# Altium PCB SysUprTestUUUp.PcbDoc (part 1 of 4) (continued)
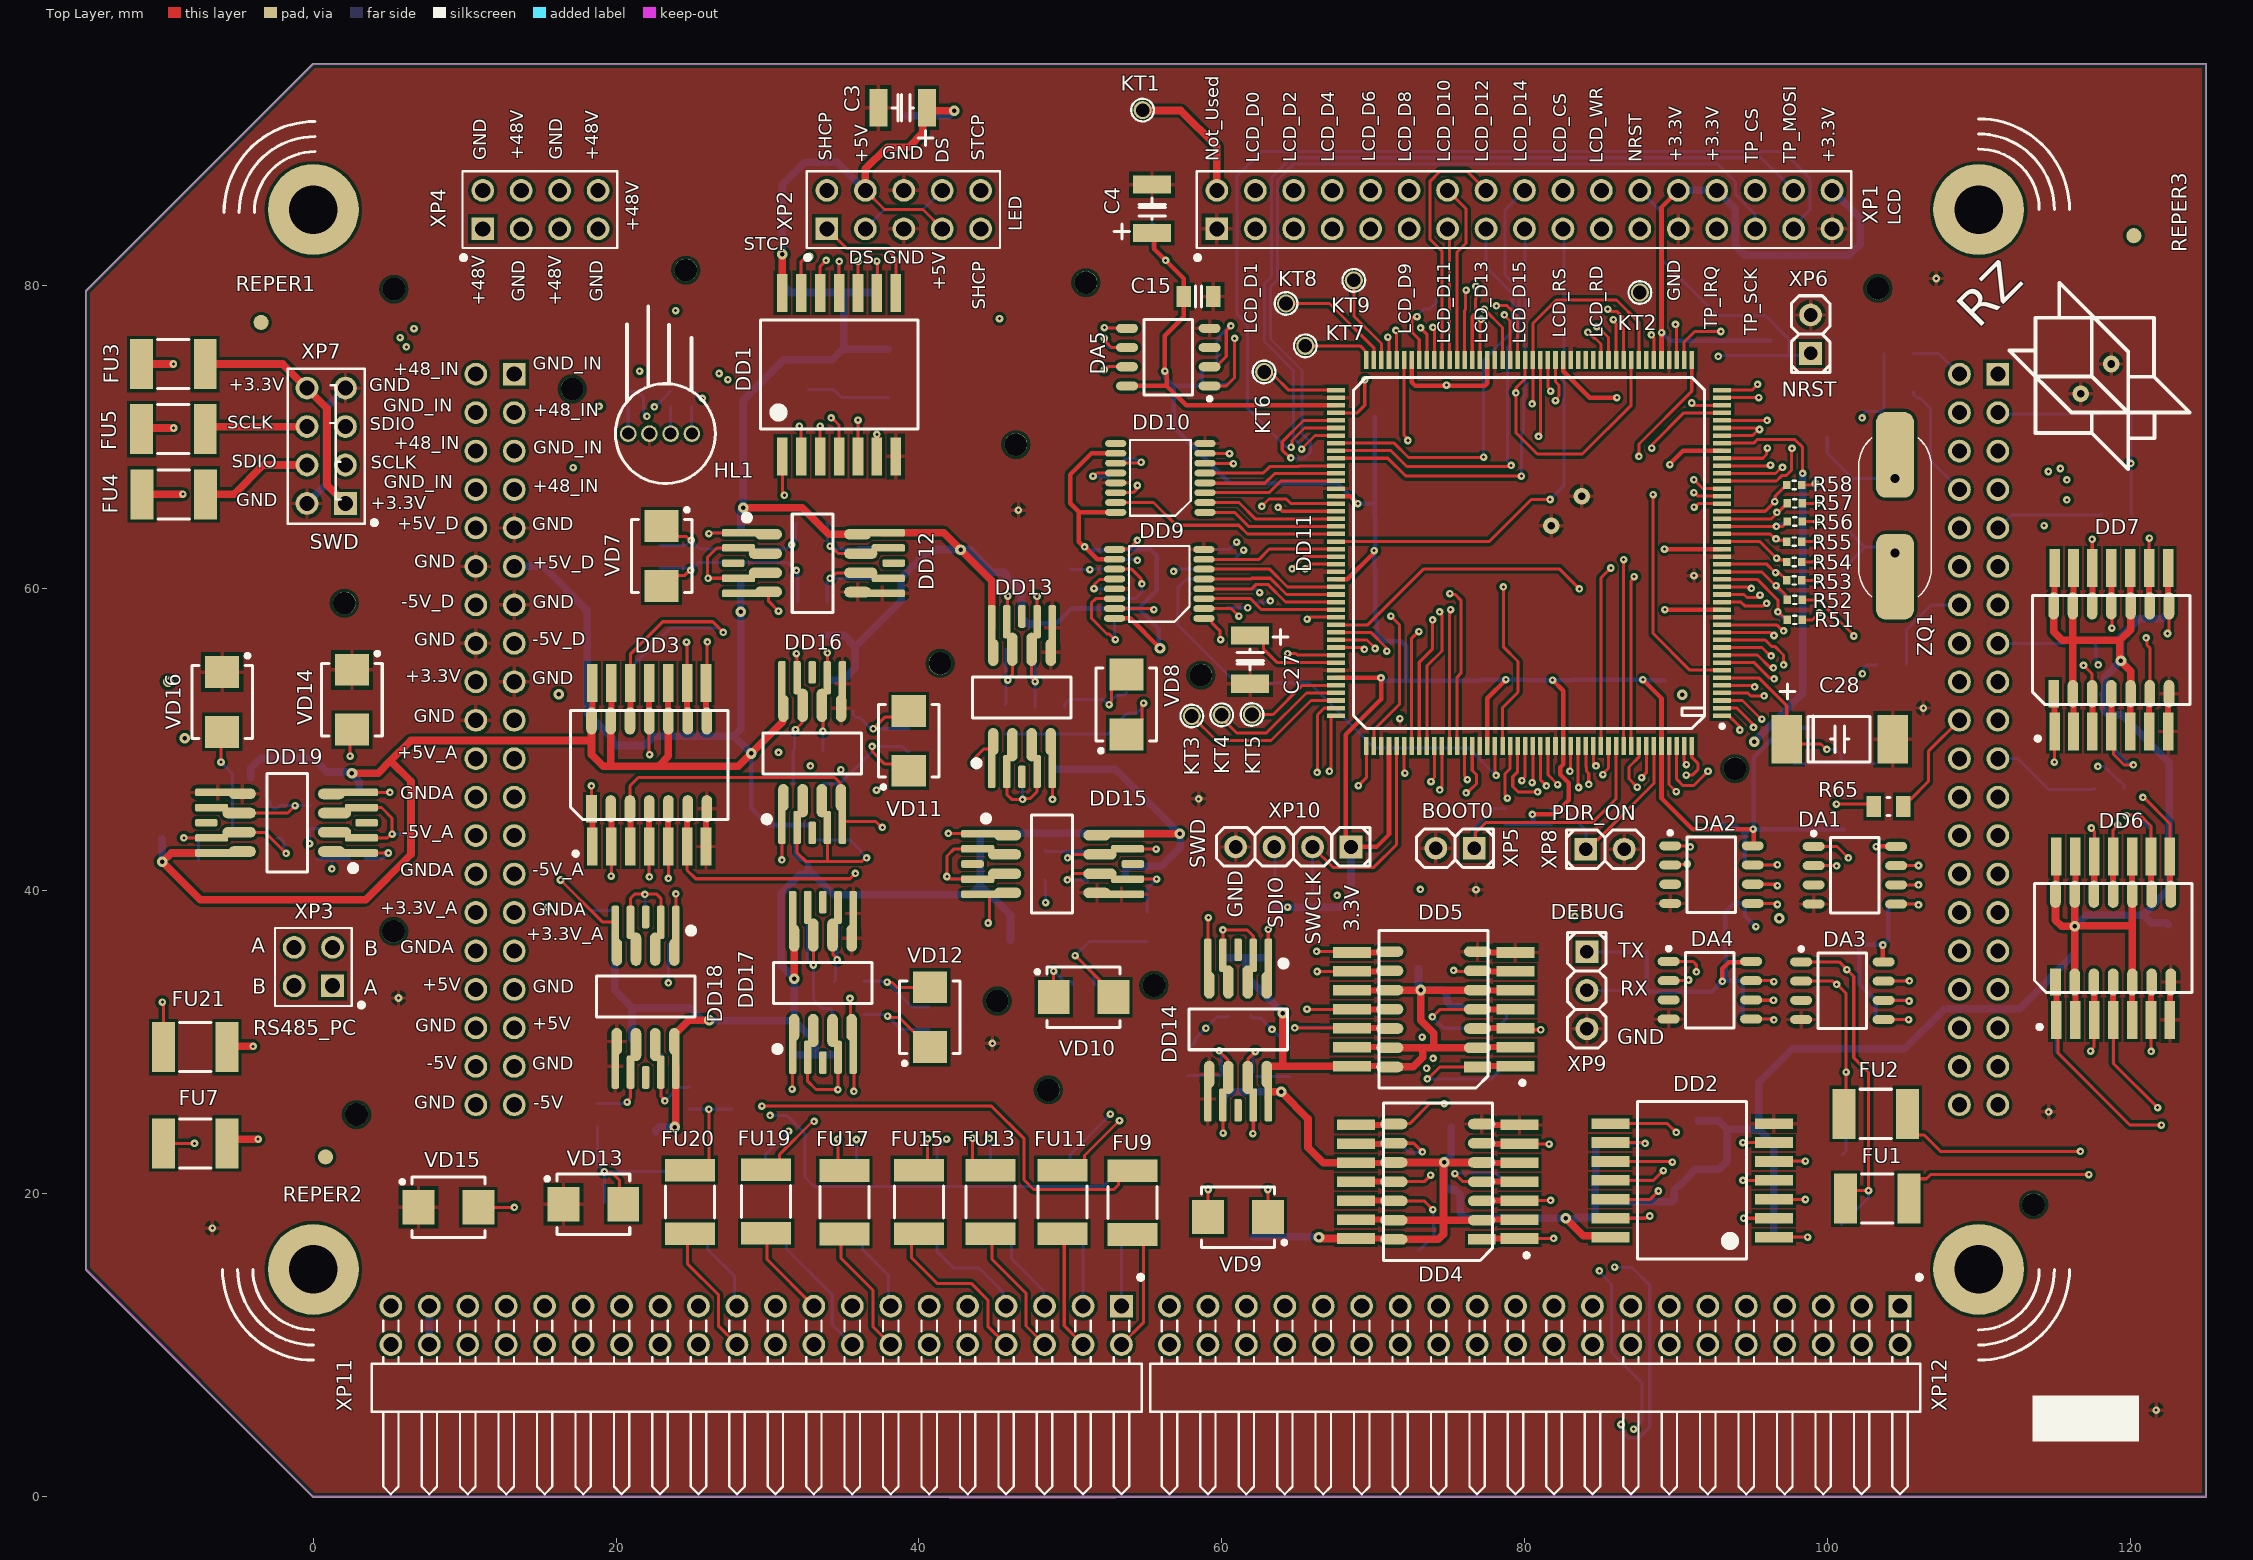
[diagram p0: Top Layer view]
## Part data
C1 C2 C5 C6 C7 C8 C10 C12 C14 C15 C17 C19 C21 C23 C29 C30 C31 C32 C33 C34 C35 C36 C37 C38 C39 C40 C41 C42 C43 C48 C55 C56 C57: library part 2161, Manufacturer="ОАО «ВЗРД Монолит»", ManufacturerTU=ФЦТА.673516.016ТУ, Package="0805 (2012)", PartNumber="К10-84в-2012М-50 В-Н90-0,1 мкФ+80 %-20 %-N-A", SolderTemperature=175, TemperatureRange="от минус 60 до 85", VoltageLimit=50, Alternative="0805 0,1 мкФ, 50 В, ±10 %", CardKRR=67, ComponentLink1Description=К10-84, ComponentLink1URL=\\192.168.0.253\U_Base\PDF\C\K10-84.pdf, DataSheet=#\\192.168.0.253\U_Base\PDF\C\K10-84.pdf#, Group=Конденсаторы, HelpURL=\\192.168.0.253\U_Base\PDF\C\K10-84.pdf, key=2161, MilitaryControl=ВП, Modify=13.03.2019, MountType=ПМ, Name=К10-84в, SolderName=K10-84v-2012M-50V-N90-0,1mkF, ViewControl="В, 10%", X_SORT_1=100, X_SORT_2=200, X_SORT_3=4
C3 C4 C9 C11 C13 C16 C18 C20 C22: library part 2164, Manufacturer="АО «НИИ ГИРИКОНД»", ManufacturerTU=АЖЯР.673546.001ТУ, Package="K2 (Case B)", PartNumber="К53-56А-16 В-4,7 мкФ±20 %", SolderTemperature=265, TemperatureRange="от минус 60 до 125", VoltageLimit=16, Alternative="Case B 4,7 мкФ, 16 В, ±20 %", Alternative2="К53-56А-16 В-4,7 мкФ±20 % В АДПК.673546.005ТУ", CardKRR=67, ComponentLink1Description=К53-56А, ComponentLink1URL=\\192.168.0.253\U_Base\PDF\C\K53-56.pdf, DataSheet=#\\192.168.0.253\U_Base\PDF\C\К53-56А.pdf#, Group=Конденсаторы, HelpURL=\\192.168.0.253\U_Base\PDF\C\K53-56.pdf, key=2164, MilitaryControl=ВП, Modify=13.03.2019, MountType=ПМ, Name=К53-56А, SolderName=K53-56A-16V-4.7mkF, ViewControl="В, 10%", X_SORT_1=100, X_SORT_2=200, X_SORT_3=4
C24 C25: library part 2141, Manufacturer="ОАО «ВЗРД Монолит»", ManufacturerTU=ФЦТА.673516.016ТУ, Package="0805 (2012)", PartNumber="К10-84в-2012М-100 В-МП0-16 пФ±10 %-N-A", SolderTemperature=175, TemperatureRange="от минус 60 до 85", VoltageLimit=100, Alternative="0805 16 пФ, 100 В, ±10 %", CardKRR=67, ComponentLink1Description=К10-84, ComponentLink1URL=\\192.168.0.253\U_Base\PDF\C\K10-84.pdf, DataSheet=#\\192.168.0.253\U_Base\PDF\C\K10-84.pdf#, Group=Конденсаторы, HelpURL=\\192.168.0.253\U_Base\PDF\C\K10-84.pdf, key=2141, MilitaryControl=ВП, Modify=13.03.2019, MountType=ПМ, Name=К10-84в, SolderName=K10-84v-2012M-100V-MP0-16pF, ViewControl="В, 10%", X_SORT_1=100, X_SORT_2=200, X_SORT_3=4
C26 C27: library part 2166, Manufacturer="АО «НИИ ГИРИКОНД»", ManufacturerTU=АЖЯР.673546.001ТУ, Package="K2 (Case B)", PartNumber="К53-56А-25 В-2,2 мкФ±20 %", SolderTemperature=265, TemperatureRange="от минус 60 до 125", VoltageLimit=25, Alternative="Case B 2,2 мкФ, 25 В, ±20 %", Alternative2="К53-56А-25 В-2,2 мкФ±20 % В АДПК.673546.005ТУ", CardKRR=67, ComponentLink1Description=К53-56А, ComponentLink1URL=\\192.168.0.253\U_Base\PDF\C\K53-56.pdf, DataSheet=#\\192.168.0.253\U_Base\PDF\C\К53-56А.pdf#, Group=Конденсаторы, HelpURL=\\192.168.0.253\U_Base\PDF\C\K53-56.pdf, key=2166, MilitaryControl=ВП, Modify=13.03.2019, MountType=ПМ, Name=К53-56А, SolderName=K53-56A-25V-2.2mkF, ViewControl="В, 10%", X_SORT_1=100, X_SORT_2=200, X_SORT_3=4
C28: library part 2249, Manufacturer="АО «НИИ ГИРИКОНД»", ManufacturerTU=АЖЯР.673546.006ТУ, Package="K3 (Case D)", PartNumber="К53-67-10 В-330 мкФ±10 %", SolderTemperature=265, TemperatureRange="от минус 60 до 125", VoltageLimit=32, Alternative="Case D 330 мкФ, 10 В, ±10 %", CardKRR=67, ComponentLink1Description=К53-67, Group=Конденсаторы, key=2249, MilitaryControl=ВП, Modify=13.03.2019, MountType=ПМ, Name=К53-67, SolderName=K53-67-10V-330mkF, ViewControl="В, 10%", X_SORT_1=100, X_SORT_2=200, X_SORT_3=4
C44 C45 C46 C47 C49 C50 C51 C52 C53 C54: library part 2111, Manufacturer="ОАО «ВЗРД Монолит»", ManufacturerTU=ФЦТА.673516.016ТУ, Package="0603 (1608)", PartNumber="К10-84в-1608М-100 В-МП0-10 пФ±10 %-N-A", SolderTemperature=175, TemperatureRange="от минус 60 до 85", VoltageLimit=100, Alternative="0603 10 пФ, 100 В, ±10 %", CardKRR=67, ComponentLink1Description=К10-84, ComponentLink1URL=\\192.168.0.253\U_Base\PDF\C\K10-84.pdf, DataSheet=#\\192.168.0.253\U_Base\PDF\C\K10-84.pdf#, Group=Конденсаторы, HelpURL=\\192.168.0.253\U_Base\PDF\C\K10-84.pdf, key=2111, MilitaryControl=ВП, Modify=13.03.2019, MountType=ПМ, Name=К10-84в, SolderName=K10-84v-1608M-100V-MP0-10pF, ViewControl="В, 10%", X_SORT_1=100, X_SORT_2=200, X_SORT_3=4
C58: library part 2796, Manufacturer="АО \"НИИ \"ГИРИКОНД\"", ManufacturerTU=АЖЯР.673511.002ТУ, PartNumber="К10-69в-Н90-50 В-2012М-0,01 мкФ+80/-20 %-N", TemperatureRange="от минус 60 до 85", Alternative="0805 0,01 мкФ, 50 В, ±10 %", CardKRR=67, ComponentLink1URL=\\192.168.0.253\U_Base\PDF\C\K10-69.pdf, DataSheet=\\192.168.0.253\U_Base\PDF\C\K10-69.pdf, Group=Конденсаторы, HelpURL=\\192.168.0.253\U_Base\PDF\C\K10-69.pdf, key=2796, MilitaryControl=ВП, Modify=03.02.2020, MountType=ПМ, Name=К10-69в, SolderName=K10-69v-N90-50V-2012M-0.01mkF, ViewControl="В, 10%", X_SORT_1=1, X_SORT_2=1, X_SORT_3=4
DA1 DA2 DA3 DA4 DA5: library part 78, Manufacturer=NXP, TemperatureRange="от минус 55 до 125", CardKRR=65, ComponentLink1Description=LM75AD, ComponentLink1URL=\\192.168.0.253\U_Base\PDF\D\LM75AD.pdf, DataSheet=#\\192.168.0.253\U_Base\PDF\D\LM75AD.pdf#, Group=Микросхемы, HelpURL=\\192.168.0.253\U_Base\PDF\D\LM75AD.pdf, key=78, MilitaryControl=ОТК, Modify=15.04.2019, MountType=ПМ, Name=LM75AD, Notice=NXP, PartNumber=LM75AD, SolderName=LM75AD, ViewControl="В, 100%", X_SORT_1=200, X_SORT_2=401, X_SORT_3=4
DD1 DD2: library part 4, CurrentLimit=0,0038, Manufacturer="ОАО «ИНТЕГРАЛ»", ManufacturerTU=бК0.347.364-01ТУ, Package=401.14-5, PartNumber=1533ЛН1, TemperatureRange="от минус 60 до 125", CardKRR=65, ComponentLink1URL=\\192.168.0.101\U_Base\PDF\D\1533ЛН1.pdf, DataSheet=#\\192.168.0.101\U_Base\PDF\D\1533ЛН1.pdf#, Group=Микросхемы, HelpURL=\\192.168.0.101\U_Base\PDF\D\1533ЛН1.pdf, key=4, MilitaryControl=ВП, Modify=14.03.2019, MountType=РМ, Name=1533ЛН1, SolderName=1533LN1, ViewControl="В, 100%", X_SORT_1=200, X_SORT_2=400, X_SORT_3=4
DD3 DD4 DD5 DD6 DD7: library part 72, CurrentLimit=0,024, Manufacturer="ОАО «ИНТЕГРАЛ»", ManufacturerTU=АЕЯР.431200.182-08ТУ, Package=401.14-5, PartNumber="1554ЛИ1Т БМ", TemperatureRange="от минус 60 до 125", Alternative=SNJ54AC08W, CardKRR=65, ComponentLink1URL=\\\192.168.0.101\U_Base\PDF\D\1554ЛИ1.pdf, ComponentLink2Description="Аналог 54AC08(W14B)", ComponentLink2URL=\\192.168.0.253\U_Base\PDF\D\SN74AC08.pdf, DataSheet=#\\192.168.0.101\U_Base\PDF\D\1554ЛИ1.pdf#, Group=Микросхемы, HelpURL=\\192.168.0.101\U_Base\PDF\D\1554ЛИ1.pdf, key=72, MilitaryControl=ВП, Modify=14.03.2019, MountType=РМ, Name=1554ЛИ1ТБМ, SolderName=1554LI1TBM, ViewControl="В, 100%", X_SORT_1=200, X_SORT_2=400, X_SORT_3=4
DD8 DD9 DD10: library part 40, Manufacturer=ONSemiconductor, Package=TSSOP16, PartNumber=74НС595PW, TemperatureRange="от минус 40 до 125", CardKRR=65, ComponentLink1URL=\\192.168.0.101\U_Base\PDF\D\74HC595PW.pdf, DataSheet=#\\192.168.0.101\U_Base\PDF\D\74HC595PW.pdf#, Group=Микросхемы, HelpURL=\\192.168.0.101\U_Base\PDF\D\74HC595PW.pdf, key=40, MilitaryControl=ОТК, Modify=14.03.2019, MountType=ПМ, Name=74НС595PW, Notice=ONSemiconductor, SolderName=74NS595PW, ViewControl="В, 100%", X_SORT_1=200, X_SORT_2=401, X_SORT_3=4
DD11: library part 109, Manufacturer=STMicroelectronics, TemperatureRange="от минус 40 до 85", CardKRR=64б, ComponentLink1URL="\\192.168.0.253\U_Base\PDF\D\STM32F407IGT6 LQFP176.pdf", DataSheet="#\\192.168.0.253\U_Base\PDF\D\STM32F407IGT6 LQFP176.pdf#", Group=Микросхемы, HelpURL="\\192.168.0.253\U_Base\PDF\D\STM32F407IGT6 LQFP176.pdf", key=109, MilitaryControl=ОТК, Modify=15.03.2021, MountType=ПМ, Name=STM32F407IGT6, PartNumber=STM32F407IGT6, SolderName=STM32F407IGT6, ViewControl="В, 100%", X_SORT_1=201, X_SORT_2=401, X_SORT_3=4
DD12 DD13 DD14 DD15 DD16 DD17 DD18 DD19: library part 70, CurrentLimit=0,25, Manufacturer="АО «ПКК МИЛАНДР»", ManufacturerTU=АЕЯР.431230.882ТУ, Package=H02.8-1B, PartNumber=5559ИН28У, TemperatureRange="от минус 60 до 125", Alternative="К5559ИН28У ТСКЯ.431323.013СП", Alternative2=ADM1485ARZ, Alternative3=LTC1685IS8, CardKRR=65, ComponentLink1URL=\\192.168.0.101\U_Base\PDF\D\5559ИН28У.pdf, DataSheet=#\\192.168.0.101\U_Base\PDF\D\5559ИН28У.pdf#, Group=Микросхемы, HelpURL=\\192.168.0.101\U_Base\PDF\D\5559ИН28У.pdf, key=70, Mark=ИН28, MilitaryControl=ВП, Modify=14.03.2019, MountType=РМ, Name=5559ИН28У, SolderName=5559IN28U, ViewControl="В, 100%", X_SORT_1=200, X_SORT_2=400, X_SORT_3=4
FU1 FU2 FU6 FU7 FU8 FU9 FU10 FU11 FU12 FU13 FU14 FU15 FU16 FU17 FU18 FU19 FU20 FU21: library part 72, Manufacturer=Bourns, PartNumber="Предохранитель самовосстанавливающийся MF-MSMF020, 0.2 A", TemperatureRange="от минус 40 до 85", CardKRR=87, ComponentLink1URL=\\192.168.0.101\U_Base\PDF\OTHER\MF-MSMFxxx.pdf, DataSheet=#\\192.168.0.101\U_Base\PDF\OTHER\MF-MSMFxxx.pdf#, Group=Предохранитель, HelpURL=\\192.168.0.101\U_Base\PDF\OTHER\MF-MSMFxxx.pdf, key=72, Mass=0,1, MilitaryControl=ОТК, Modify=05.12.2022, MountType=РМ, Name="MF-MSMF020, 0.2 A", SolderName="MF-MSMF020,0.2 A", ViewControl=В,100%, X_SORT_3=4
FU3 FU4 FU5: library part 74, Manufacturer=Bourns, PartNumber="Предохранитель самовосстанавливающийся MF-MSMF050, 0.5 A", TemperatureRange="от минус 40 до 85", CardKRR=87, ComponentLink1URL=\\192.168.0.101\U_Base\PDF\OTHER\MF-MSMFxxx.pdf, DataSheet=#\\192.168.0.101\U_Base\PDF\OTHER\MF-MSMFxxx.pdf#, Group=Предохранитель, HelpURL=\\192.168.0.101\U_Base\PDF\OTHER\MF-MSMFxxx.pdf, key=74, Mass=0,1, MilitaryControl=ОТК, Modify=05.12.2022, MountType=РМ, Name="MF-MSMF050, 0.5 A", SolderName="MF-MSMF050,0.5 A", ViewControl=В,100%, X_SORT_3=4
HL1: library part 90, "Светодиод RGB с общим анодом BL-L515RGBW-CA", Manufacturer="Betlux Electronics", Package=6mm, PartNumber="Светодиод BL-L515RGBW-CС", ComponentLink1Description=BL-L515, ComponentLink1URL="\\192.168.0.101\U_Base\PDF\V\BetLux Electronics.pdf", DataSheet="#\\192.168.0.101\U_Base\PDF\V\BetLux Electronics.pdf#", Group=Светодиоды, HelpURL="\\192.168.0.101\U_Base\PDF\V\BetLux Electronics.pdf", key=90, MilitaryControl=ОТК, Modify=14.03.2019, MountType=РМ, Name=BL-L515, Notice="Betlux Electronics", SolderName=BL-L515, ViewControl="В, 10%", X_SORT_1=500, X_SORT_2=301, X_SORT_3=4
KT1 KT2 KT3 KT4 KT5 KT6 KT7 KT8 KT9: library part 4, PartNumber=Контакт, key=4, SolderName=Kontakt, X_SORT_3=4
R1 R2 R3 R4 R5 R6 R22 R23 R24 R25 R26 R27 R38 R39 R40 R94 R99 R100: library part 2901, Manufacturer="АО «НПО «Эркон»", ManufacturerTU=ОЖ0.467.164ТУ, Package="0402 (1005)", PartNumber="Р1-8В-0,063-1 кОм±5 %-Т-А", PowerLimit=0,063, SolderTemperature=255, TemperatureRange="от минус 65 до 155", VoltageLimit=50, Alternative="0402 1 кОм, 0,062 Вт, ±5 %", Alternative2="Р1-8В-0,062-1 кОм±5 %-Т-А ОЖ0.467.164ТУ", CardKRR=68, ComponentLink1Description=Р1-8В, ComponentLink1URL=\\192.168.0.101\U_Base\PDF\R\Р1-8В.pdf, DataSheet=#\\192.168.0.101\U_Base\PDF\R\Р1-8В.pdf#, Group=Резисторы, HelpURL=\\192.168.0.101\U_Base\PDF\R\Р1-8В.pdf, key=2901, Mark=102, Mass=0,0007, MilitaryControl=ВП, Modify=28.06.2019, MountType=ПМ, Name=Р1-8В, SolderName=R1-8B-0.063-1kOm, ViewControl="В, 10%", X_SORT_1=400, X_SORT_2=100, X_SORT_3=4
R7 R8 R9 R10 R11 R12 R13 R14 R15 R16 R17 R18 R19 R28 R29 R49 R50 R67 R68 R69 R70 R71 R72 R73 R74 R75 R76 R77 R79 R80 R81 R82 R83 R84 R85 R86 R87 R88 R89 R90 R91 R97 R98 R102 R103 R104 R105 R106 R107 R108 R109 R110 R117 R118 R119 R120 R121 R122 R141 R142 R143 R144 R145 R146: library part 2905, Manufacturer="АО «НПО «Эркон»", ManufacturerTU=ОЖ0.467.164ТУ, Package="0402 (1005)", PartNumber="Р1-8В-0,063-10 кОм±5 %-Т-А", PowerLimit=0,063, SolderTemperature=255, TemperatureRange="от минус 65 до 155", VoltageLimit=50, Alternative="0402 10 кОм, 0,062 Вт, ±5 %", Alternative2="Р1-8В-0,062-10 кОм±5 %-Т-А ОЖ0.467.164ТУ", CardKRR=68, ComponentLink1Description=Р1-8В, ComponentLink1URL=\\192.168.0.253\U_Base\PDF\R\Р1-8В.pdf, DataSheet=#\\192.168.0.253\U_Base\PDF\R\Р1-8В.pdf#, Group=Резисторы, HelpURL=\\192.168.0.253\U_Base\PDF\R\Р1-8В.pdf, key=2905, Mark=103, Mass=0,0007, MilitaryControl=ВП, Modify=28.06.2019, MountType=ПМ, Name=Р1-8В, SolderName=R1-8B-0.063-10kOm, ViewControl="В, 10%", X_SORT_1=400, X_SORT_2=100, X_SORT_3=4
R20 R21 R30 R31 R32 R33 R34 R35 R36 R37 R41 R42 R43 R44 R45 R46 R47 R48 R51 R52 R53 R54 R55 R56 R57 R58: library part 2907, Manufacturer="АО «НПО «Эркон»", ManufacturerTU=ОЖ0.467.164ТУ, Package="0402 (1005)", PartNumber="Р1-8В-0,063-100 кОм±5 %-Т-А", PowerLimit=0,063, SolderTemperature=255, TemperatureRange="от минус 65 до 155", VoltageLimit=50, Alternative="0402 100 кОм, 0,062 Вт, ±5 %", Alternative2="Р1-8В-0,062-100 кОм±5 %-Т-А ОЖ0.467.164ТУ", CardKRR=68, ComponentLink1Description=Р1-8В, ComponentLink1URL=\\192.168.0.101\U_Base\PDF\R\Р1-8В.pdf, DataSheet=#\\192.168.0.101\U_Base\PDF\R\Р1-8В.pdf#, Group=Резисторы, HelpURL=\\192.168.0.101\U_Base\PDF\R\Р1-8В.pdf, key=2907, Mark=104, Mass=0,0007, MilitaryControl=ВП, Modify=28.06.2019, MountType=ПМ, Name=Р1-8В, SolderName=R1-8B-0.063-100kOm, ViewControl="В, 10%", X_SORT_1=400, X_SORT_2=100, X_SORT_3=4
R59 R60 R61 R62 R63 R64 R65 R66 R111 R112 R113 R114 R115 R116 R123 R125: library part 32904934, Manufacturer="АО «НПО «Эркон»", ManufacturerTU=ОЖ0.467.164ТУ, Package="0805 (2012)", PartNumber="Р1-8В-0,125-120 Ом±5 %-Т-А", PowerLimit=0,125, SolderTemperature=255, TemperatureRange="от минус 65 до 155", VoltageLimit=150, Alternative="0805 120 Ом, 0,125 Вт, ±5 %", Alternative2="Р1-8В-0,125-120 Ом±5 %-Т-А ОЖ0.467.164ТУ", CardKRR=68, ComponentLink1Description=Р1-8В, ComponentLink1URL=\\192.168.0.101\U_Base\PDF\R\Р1-8В.pdf, DataSheet=#\\192.168.0.101\U_Base\PDF\R\Р1-8В.pdf#, Group=Резисторы, HelpURL=\\192.168.0.101\U_Base\PDF\R\Р1-8В.pdf, key=32904934, Mark=121, Mass=0,006, MilitaryControl=ВП, Modify=24.10.2022, MountType=ПМ, Name=Р1-8В, SolderName=R1-8B-0.125-120Om, ViewControl="В, 10%", X_SORT_1=400, X_SORT_2=100, X_SORT_3=4
R78: library part 32904893, Manufacturer="АО «НПО «Эркон»", ManufacturerTU=ОЖ0.467.164ТУ, PartNumber="Р1-8В-0,125-10 МОм±5 %-Т-А", PowerLimit=0,125, SolderTemperature=255, TemperatureRange="от минус 65 до 155", VoltageLimit=150, Alternative="0805 10 МОм, 0,125 Вт, ±5 %", CardKRR=68, ComponentLink1Description=Р1-8В, ComponentLink1URL=\\192.168.0.253\U_Base\PDF\R\Р1-8В.pdf, DataSheet=\\192.168.0.253\U_Base\PDF\R\Р1-8В.pdf, Group=Резисторы, HelpURL=\\192.168.0.253\U_Base\PDF\R\Р1-8В.pdf, key=32904893, MilitaryControl=ВП, Modify=28.06.2019, MountType=ПМ, Name=Р1-8В, SolderName=R1-8B-0.125-10MOm, ViewControl="В, 10%", X_SORT_1=400, X_SORT_2=100, X_SORT_3=4
R92 R93: library part 2933, Manufacturer="АО «НПО «Эркон»", ManufacturerTU=ОЖ0.467.164ТУ, Package="0402 (1005)", PartNumber="Р1-8В-0,063-6,8 кОм±5 %-Т-А", PowerLimit=0,063, SolderTemperature=255, TemperatureRange="от минус 65 до 155", VoltageLimit=50, Alternative="0402 6,8 кОм, 0,062 Вт, ±5 %", Alternative2="Р1-8В-0,062-6,8 кОм±5 %-Т-А ОЖ0.467.164ТУ", CardKRR=68, ComponentLink1Description=Р1-8В, ComponentLink1URL=\\192.168.0.101\U_Base\PDF\R\Р1-8В.pdf, DataSheet=#\\192.168.0.101\U_Base\PDF\R\Р1-8В.pdf#, Group=Резисторы, HelpURL=\\192.168.0.101\U_Base\PDF\R\Р1-8В.pdf, key=2933, Mark=682, Mass=0,0007, MilitaryControl=ВП, Modify=28.06.2019, MountType=ПМ, Name=Р1-8В, SolderName=R1-8B-0.063-6.8kOm, ViewControl="В, 10%", X_SORT_1=400, X_SORT_2=100, X_SORT_3=4
R95 R96: library part 2920, Manufacturer="АО «НПО «Эркон»", ManufacturerTU=ОЖ0.467.164ТУ, Package="0402 (1005)", PartNumber="Р1-8В-0,063-3,3 кОм±5 %-Т-А", PowerLimit=0,063, SolderTemperature=255, TemperatureRange="от минус 65 до 155", VoltageLimit=50, Alternative="0402 3,3 кОм, 0,062 Вт, ±5 %", Alternative2="Р1-8В-0,062-3,3 кОм±5 %-Т-А ОЖ0.467.164ТУ", CardKRR=68, ComponentLink1Description=Р1-8В, ComponentLink1URL=\\192.168.0.101\U_Base\PDF\R\Р1-8В.pdf, DataSheet=#\\192.168.0.101\U_Base\PDF\R\Р1-8В.pdf#, Group=Резисторы, HelpURL=\\192.168.0.101\U_Base\PDF\R\Р1-8В.pdf, key=2920, Mark=332, Mass=0,0007, MilitaryControl=ВП, Modify=28.06.2019, MountType=ПМ, Name=Р1-8В, SolderName=R1-8B-0.063-3.3kOm, ViewControl="В, 10%", X_SORT_1=400, X_SORT_2=100, X_SORT_3=4
R101: library part 2943, Manufacturer="АО «НПО «Эркон»", ManufacturerTU=ОЖ0.467.164ТУ, Package="0603 (1608)", PartNumber="Р1-8В-0,1-10 кОм±5 %-Т-А", PowerLimit=0,1, SolderTemperature=255, TemperatureRange="от минус 65 до 155", VoltageLimit=100, Alternative="0603 10 кОм, 0,1 Вт, ±5 %", Alternative2="Р1-8В-0,1-10 кОм±5 %-Т-А ОЖ0.467.164ТУ", CardKRR=68, ComponentLink1Description=Р1-8В, ComponentLink1URL=\\192.168.0.253\U_Base\PDF\R\Р1-8В.pdf, DataSheet=\\192.168.0.253\U_Base\PDF\R\Р1-8В.pdf, Group=Резисторы, HelpURL=\\192.168.0.253\U_Base\PDF\R\Р1-8В.pdf, key=2943, Mark=103, Mass=0,002, MilitaryControl=ВП, Modify=28.06.2019, MountType=ПМ, Name=Р1-8В, SolderName=R1-8B-0.1-10kOm, ViewControl="В, 10%", X_SORT_1=400, X_SORT_2=100, X_SORT_3=4
R124 R126 R127 R128: library part 2944, Manufacturer="АО «НПО «Эркон»", ManufacturerTU=ОЖ0.467.164ТУ, Package="0603 (1608)", PartNumber="Р1-8В-0,1-10 Ом±5 %-Т-А", PowerLimit=0,1, SolderTemperature=255, TemperatureRange="от минус 65 до 155", VoltageLimit=100, Alternative="0603 10 Ом, 0,1 Вт, ±5 %", Alternative2="Р1-8В-0,1-10 Ом±5 %-Т-А ОЖ0.467.164ТУ", CardKRR=68, ComponentLink1Description=Р1-8В, ComponentLink1URL=\\192.168.0.253\U_Base\PDF\R\Р1-8В.pdf, DataSheet=\\192.168.0.253\U_Base\PDF\R\Р1-8В.pdf, Group=Резисторы, HelpURL=\\192.168.0.253\U_Base\PDF\R\Р1-8В.pdf, key=2944, Mark=100, Mass=0,002, MilitaryControl=ВП, Modify=28.06.2019, MountType=ПМ, Name=Р1-8В, SolderName=R1-8B-0.1-10Om, ViewControl="В, 10%", X_SORT_1=400, X_SORT_2=100, X_SORT_3=4
R129 R130 R131 R132 R133 R134 R135 R136 R137 R138 R139 R140: library part 2977, Manufacturer="АО «НПО «Эркон»", ManufacturerTU=ОЖ0.467.164ТУ, Package="0805 (2012)", PartNumber="Р1-8В-0,125-22 Ом±5 %-Т-А", PowerLimit=0,125, SolderTemperature=255, TemperatureRange="от минус 65 до 155", VoltageLimit=150, Alternative="0805 22 Ом, 0,125 Вт, ±5 %", Alternative2="Р1-8В-0,125-22 Ом±5 %-Т-А ОЖ0.467.164ТУ", CardKRR=68, ComponentLink1Description=Р1-8В, ComponentLink1URL=\\192.168.0.101\U_Base\PDF\R\Р1-8В.pdf, DataSheet=#\\192.168.0.101\U_Base\PDF\R\Р1-8В.pdf#, Group=Резисторы, HelpURL=\\192.168.0.101\U_Base\PDF\R\Р1-8В.pdf, key=2977, Mark=220, Mass=0,006, MilitaryControl=ВП, Modify=28.06.2019, MountType=ПМ, Name=Р1-8В, SolderName=R1-8B-0.125-22Om, ViewControl="В, 10%", X_SORT_1=400, X_SORT_2=100, X_SORT_3=4
VD1 VD2 VD3 VD4 VD5 VD13 VD14 VD15 VD16: library part 163, Manufacturer=STMicroelectronics, PartNumber="Диод защитный SMBJ5.0CA-TR", SolderTemperature=260, TemperatureRange="от минус 55 до 150", VoltageLimit=13,4, Alternative="SMBJ5.0CA-TR YJ", CardKRR=56, ComponentLink1URL=\\192.168.0.101\U_Base\PDF\V\SMBJ.pdf, DataSheet=#\\192.168.0.101\U_Base\PDF\V\SMBJ.pdf#, Group=Диоды, HelpURL=\\192.168.0.101\U_Base\PDF\V\SMBJ.pdf, key=163, Mass=0.26, MilitaryControl=ОТК, Modify=05.12.2022, MountType=ПМ, Name=SMBJ5.0CA, SolderName=SMBJ5.0CA, ViewControl="В, 10%", X_SORT_3=4
VD6: library part 15, Manufacturer="ООО «Крип Техно»", ManufacturerTU=аА0.339.582ТУ, Package=SOT23, PartNumber="Набор диодов 2Д706АС9", TemperatureRange="от минус 60 до 125", Alternative="КД706АС9 аА0.336.543ТУ", Alternative2=BAW56LT1G, CardKRR=55, ComponentLink1Description=2Д706АС9, ComponentLink1URL=\\192.168.0.253\U_Base\PDF\V\2Д706АС9.pdf, DataSheet=#\\192.168.0.253\U_Base\PDF\V\2Д706АС9.pdf#, Group=Диоды, HelpURL=\\192.168.0.253\U_Base\PDF\V\2Д706АС9.pdf, key=15, Mass=0,009, MilitaryControl=ВП, Modify=14.03.2019, MountType=ПМ, Name=2Д706АС9, SolderName=2D706AS9, ViewControl="В, 10%", X_SORT_1=500, X_SORT_2=300, X_SORT_3=4
VD7 VD8 VD9 VD10 VD11 VD12: library part 164, Manufacturer=STMicroelectronics, PartNumber="Диод защитный SMBJ12.0CA-TR", SolderTemperature=260, TemperatureRange="от минус 55 до 150", VoltageLimit=13,4, Alternative="SMBJ12.0CA-TR YJ", CardKRR=56, ComponentLink1URL=\\192.168.0.101\U_Base\PDF\V\SMBJ.pdf, DataSheet=#\\192.168.0.101\U_Base\PDF\V\SMBJ.pdf#, Group=Диоды, HelpURL=\\192.168.0.101\U_Base\PDF\V\SMBJ.pdf, key=164, Mass=0.26, MilitaryControl=ОТК, Modify=05.12.2022, MountType=ПМ, SolderName=SMBJ12.0CA, ViewControl="В, 10%", X_SORT_3=4
XP1: library part 57, CurrentLimit=1, Manufacturer="АО «Карачевский завод Электродеталь»", ManufacturerTU=РЮМК.430420.011ТУ, Package=PLD, PartNumber="Вилка СНП346-34ВП22-2-В", PowerLimit=250, TemperatureRange="от минус 60 до 85", Alternative=PLD-34, Alternative2="СНП346-34ВП22-2 РЮМК.430420.019ТУ", CardKRR=75, ComponentLink1Description=СНП346, ComponentLink1URL=\\192.168.0.101\U_Base\PDF\X\СНП346.pdf, Conn01Name=GND, Conn02Name=5V, Conn03Name=D1, Conn04Name=D0, Conn05Name=D3, Conn06Name=D2, Conn07Name=D5, Conn08Name=D4, Conn09Name=D7, Conn10Name=D6, Conn11Name=D9, Conn12Name=D8, Conn13Name=D11, Conn14Name=D10, Conn15Name=D13, Conn16Name=D12, Conn17Name=D15, Conn18Name=D14, Conn19Name=RS, Conn20Name=LCD-CS, Conn21Name=RD, Conn22Name=WR, Conn23Name=NC, Conn24Name=RST, Conn25Name=GND, Conn26Name=BL-VCC, Conn27Name=TP-IRQ, Conn28Name=BL-CTRL, Conn29Name=TP-SCK, Conn30Name=TP-CS, Conn31Name=TP-SDO, Conn32Name=TP-SDI, Conn33Name=GND, Conn34Name=3V3, Conn35Name=35, Conn36Name=36, Conn37Name=37, Conn38Name=38, Conn39Name=39, Conn40Name=40, DataSheet=#\\192.168.0.101\U_Base\PDF\X\СНП346.pdf#, Group=Соединители, HelpURL=\\192.168.0.101\U_Base\PDF\X\СНП346.pdf, key=57, Mass=0,00204, MilitaryControl=ВП, Modify=19.09.2018, MountType=РМ, Name=СНП346-34ВП22-2-В, SolderName=SNP346-34VP22-2, ViewControl="В, 10%", VoltageLimit=250, X_SORT_1=700, X_SORT_2=600, X_SORT_3=4
XP2: library part 45, CurrentLimit=1, Manufacturer="АО «Карачевский завод Электродеталь»", ManufacturerTU=РЮМК.430420.011ТУ, Package=PLD, PartNumber="Вилка СНП346-10ВП22-2-В", PowerLimit=250, TemperatureRange="от минус 60 до 85", Alternative=PLD-10, Alternative2="СНП346-10ВП22-2 РЮМК.430420.019ТУ", CardKRR=75, ComponentLink1Description=СНП346, ComponentLink1URL=\\192.168.0.101\U_Base\PDF\X\СНП346.pdf, Conn01Name=LED_STCP, Conn02Name=LED_SHCP, Conn03Name=LED_DS, Conn04Name=+5V, Conn05Name=GND, Conn06Name=GND, Conn07Name=+5V, Conn08Name=LED_DS, Conn09Name=LED_SHCP, Conn10Name=LED_STCP, Conn11Name=11, Conn12Name=12, Conn13Name=13, Conn14Name=14, Conn15Name=15, Conn16Name=16, Conn17Name=17, Conn18Name=18, Conn19Name=19, Conn20Name=20, Conn21Name=21, Conn22Name=22, Conn23Name=23, Conn24Name=24, Conn25Name=25, Conn26Name=26, Conn27Name=27, Conn28Name=28, Conn29Name=29, Conn30Name=30, Conn31Name=31, Conn32Name=32, Conn33Name=33, Conn34Name=34, Conn35Name=35, Conn36Name=36, Conn37Name=37, Conn38Name=38, Conn39Name=39, Conn40Name=40, DataSheet=#\\192.168.0.101\U_Base\PDF\X\СНП346.pdf#, Group=Соединители, HelpURL=\\192.168.0.101\U_Base\PDF\X\СНП346.pdf, key=45, Mass=0,0006, MilitaryControl=ВП, Modify=19.09.2018, MountType=РМ, Name=СНП346-10ВП22-2-В, SolderName=SNP346-10VP22-2, ViewControl="В, 10%", VoltageLimit=250, X_SORT_1=700, X_SORT_2=600, X_SORT_3=4
XP3: library part 42, CurrentLimit=1, Manufacturer="АО «Карачевский завод Электродеталь»", ManufacturerTU=РЮМК.430420.011ТУ, Package=PLD, PartNumber="Вилка СНП346-4ВП22-2-В", PowerLimit=250, TemperatureRange="от минус 60 до 85", Alternative=PLD-4, Alternative2="СНП346-4ВП22-2 РЮМК.430420.019ТУ", CardKRR=75, ComponentLink1Description=СНП346, ComponentLink1URL=\\192.168.0.101\U_Base\PDF\X\СНП346.pdf, Conn01Name=RS485_A_PC, Conn02Name=RS485_B_PC, Conn03Name=RS485_B_PC, Conn04Name=RS485_A_PC, Conn05Name=5, Conn06Name=6, Conn07Name=7, Conn08Name=8, Conn09Name=9, Conn10Name=10, Conn11Name=11, Conn12Name=12, Conn13Name=13, Conn14Name=14, Conn15Name=15, Conn16Name=16, Conn17Name=17, Conn18Name=18, Conn19Name=19, Conn20Name=20, Conn21Name=21, Conn22Name=22, Conn23Name=23, Conn24Name=24, Conn25Name=25, Conn26Name=26, Conn27Name=27, Conn28Name=28, Conn29Name=29, Conn30Name=30, Conn31Name=31, Conn32Name=32, Conn33Name=33, Conn34Name=34, Conn35Name=35, Conn36Name=36, Conn37Name=37, Conn38Name=38, Conn39Name=39, Conn40Name=40, DataSheet=#\\192.168.0.101\U_Base\PDF\X\СНП346.pdf#, Group=Соединители, HelpURL=\\192.168.0.101\U_Base\PDF\X\СНП346.pdf, key=42, Mass=0,00024, MilitaryControl=ВП, Modify=19.09.2018, MountType=РМ, Name=СНП346-4ВП22-2-В, SolderName=SNP346-4VP22-2, ViewControl="В, 10%", VoltageLimit=250, X_SORT_1=700, X_SORT_2=600, X_SORT_3=4
XP4 XP7: library part 44, CurrentLimit=1, Manufacturer="АО «Карачевский завод Электродеталь»", ManufacturerTU=РЮМК.430420.011ТУ, Package=PLD, PartNumber="Вилка СНП346-8ВП22-2-В", PowerLimit=250, TemperatureRange="от минус 60 до 85", Alternative=PLD-8, Alternative2="СНП346-8ВП22-2 РЮМК.430420.019ТУ", CardKRR=75, ComponentLink1Description=СНП346, ComponentLink1URL=\\192.168.0.101\U_Base\PDF\X\СНП346.pdf, Conn02Name=GND, Conn07Name=GND, Conn09Name=9, Conn10Name=10, Conn11Name=11, Conn12Name=12, Conn13Name=13, Conn14Name=14, Conn15Name=15, Conn16Name=16, Conn17Name=17, Conn18Name=18, Conn19Name=19, Conn20Name=20, Conn21Name=21, Conn22Name=22, Conn23Name=23, Conn24Name=24, Conn25Name=25, Conn26Name=26, Conn27Name=27, Conn28Name=28, Conn29Name=29, Conn30Name=30, Conn31Name=31, Conn32Name=32, Conn33Name=33, Conn34Name=34, Conn35Name=35, Conn36Name=36, Conn37Name=37, Conn38Name=38, Conn39Name=39, Conn40Name=40, DataSheet=#\\192.168.0.101\U_Base\PDF\X\СНП346.pdf#, Group=Соединители, HelpURL=\\192.168.0.101\U_Base\PDF\X\СНП346.pdf, key=44, Mass=0,00048, MilitaryControl=ВП, Modify=19.09.2018, MountType=РМ, Name=СНП346-8ВП22-2-В, SolderName=SNP346-8VP22-2, ViewControl="В, 10%", VoltageLimit=250, X_SORT_1=700, X_SORT_2=600, X_SORT_3=4
  XP4: Conn01Name=+48, Conn03Name=GND, Conn04Name=+48, Conn05Name=+48, Conn06Name=GND, Conn08Name=+48
  XP7: Conn01Name=3.3V_D, Conn03Name=SWCLK, Conn04Name=SDIO, Conn05Name=SDIO, Conn06Name=SWCLK, Conn08Name=3.3V_D
XP5 XP6 XP8: library part 2, CurrentLimit=1, Manufacturer="АО «Карачевский завод Электродеталь»", ManufacturerTU=РЮМК.430420.011ТУ, Package=PLS, PartNumber="Вилка СНП346-2ВП22-1-В", PowerLimit=250, TemperatureRange="от минус 60 до 85", Alternative=PLS-2, Alternative2="СНП346-2ВП22-1 РЮМК.430420.019ТУ", CardKRR=75, ComponentLink1Description=СНП346, ComponentLink1URL=\\192.168.0.253\U_Base\PDF\X\СНП346.pdf, Conn02Name=GND, Conn03Name=3, Conn04Name=4, Conn05Name=5, Conn06Name=6, Conn07Name=7, Conn08Name=8, Conn09Name=9, Conn10Name=10, Conn11Name=11, Conn12Name=12, Conn13Name=13, Conn14Name=14, Conn15Name=15, Conn16Name=16, Conn17Name=17, Conn18Name=18, Conn19Name=19, Conn20Name=20, Conn21Name=21, Conn22Name=22, Conn23Name=23, Conn24Name=24, Conn25Name=25, Conn26Name=26, Conn27Name=27, Conn28Name=28, Conn29Name=29, Conn30Name=30, Conn31Name=31, Conn32Name=32, Conn33Name=33, Conn34Name=34, Conn35Name=35, Conn36Name=36, Conn37Name=37, Conn38Name=38, Conn39Name=39, Conn40Name=40, DataSheet=#\\192.168.0.253\U_Base\PDF\X\СНП346.pdf#, Group=Соединители, HelpURL=\\192.168.0.253\U_Base\PDF\X\СНП346.pdf, key=2, Mass=0,00012, MilitaryControl=ВП, Modify=19.09.2018, MountType=РМ, Name=СНП346-2ВП22-1-В, SolderName=SNP346-2VP22-1, ViewControl="В, 10%", VoltageLimit=250, X_SORT_1=700, X_SORT_2=600, X_SORT_3=4
  XP5: Conn01Name=BOOT0
  XP6: Conn01Name=NRST
  XP8: Conn01Name=PDR_ON
XP9: library part 3, CurrentLimit=1, Manufacturer="АО «Карачевский завод Электродеталь»", ManufacturerTU=РЮМК.430420.011ТУ, Package=PLS, PartNumber="Вилка СНП346-3ВП22-1-В", PowerLimit=250, TemperatureRange="от минус 60 до 85", Alternative=PLS-3, Alternative2="СНП346-3ВП22-1 РЮМК.430420.019ТУ", CardKRR=75, ComponentLink1Description=СНП346, ComponentLink1URL=\\192.168.0.253\U_Base\PDF\X\СНП346.pdf, Conn01Name=USART1_TX, Conn02Name=USART1_RX, Conn03Name=GND, Conn04Name=4, Conn05Name=5, Conn06Name=6, Conn07Name=7, Conn08Name=8, Conn09Name=9, Conn10Name=10, Conn11Name=11, Conn12Name=12, Conn13Name=13, Conn14Name=14, Conn15Name=15, Conn16Name=16, Conn17Name=17, Conn18Name=18, Conn19Name=19, Conn20Name=20, Conn21Name=21, Conn22Name=22, Conn23Name=23, Conn24Name=24, Conn25Name=25, Conn26Name=26, Conn27Name=27, Conn28Name=28, Conn29Name=29, Conn30Name=30, Conn31Name=31, Conn32Name=32, Conn33Name=33, Conn34Name=34, Conn35Name=35, Conn36Name=36, Conn37Name=37, Conn38Name=38, Conn39Name=39, Conn40Name=40, DataSheet=#\\192.168.0.253\U_Base\PDF\X\СНП346.pdf#, Group=Соединители, HelpURL=\\192.168.0.253\U_Base\PDF\X\СНП346.pdf, key=3, Mass=0,00018, MilitaryControl=ВП, Modify=19.09.2018, MountType=РМ, Name=СНП346-3ВП22-1-В, SolderName=SNP346-3VP22-1, ViewControl="В, 10%", VoltageLimit=250, X_SORT_1=700, X_SORT_2=600, X_SORT_3=4
XP10: library part 4, CurrentLimit=1, Manufacturer="АО «Карачевский завод Электродеталь»", ManufacturerTU=РЮМК.430420.011ТУ, Package=PLS, PartNumber="Вилка СНП346-4ВП22-1-В", PowerLimit=250, TemperatureRange="от минус 60 до 85", Alternative=PLS-4, Alternative2="СНП346-4ВП22-1 РЮМК.430420.019ТУ", CardKRR=75, ComponentLink1Description=СНП346, ComponentLink1URL=\\192.168.0.253\U_Base\PDF\X\СНП346.pdf, Conn01Name=3.3V_D, Conn02Name=SWCLK, Conn03Name=SDIO, Conn04Name=GND, Conn05Name=5, Conn06Name=6, Conn07Name=7, Conn08Name=8, Conn09Name=9, Conn10Name=10, Conn11Name=11, Conn12Name=12, Conn13Name=13, Conn14Name=14, Conn15Name=15, Conn16Name=16, Conn17Name=17, Conn18Name=18, Conn19Name=19, Conn20Name=20, Conn21Name=21, Conn22Name=22, Conn23Name=23, Conn24Name=24, Conn25Name=25, Conn26Name=26, Conn27Name=27, Conn28Name=28, Conn29Name=29, Conn30Name=30, Conn31Name=31, Conn32Name=32, Conn33Name=33, Conn34Name=34, Conn35Name=35, Conn36Name=36, Conn37Name=37, Conn38Name=38, Conn39Name=39, Conn40Name=40, DataSheet=#\\192.168.0.253\U_Base\PDF\X\СНП346.pdf#, Group=Соединители, HelpURL=\\192.168.0.253\U_Base\PDF\X\СНП346.pdf, key=4, Mass=0,00024, MilitaryControl=ВП, Modify=19.09.2018, MountType=РМ, Name=СНП346-4ВП22-1-В, SolderName=SNP346-4VP22-1, ViewControl="В, 10%", VoltageLimit=250, X_SORT_1=700, X_SORT_2=600, X_SORT_3=4
XP11 XP12: library part 338, CurrentLimit=1, Manufacturer="АО «Карачевский завод Электродеталь»", ManufacturerTU=РЮМК.430420.011ТУ, Package=PLD-R, PartNumber="Вилка СНП346-40ВП32-2-В", PowerLimit=250, TemperatureRange="от минус 60 до 85", Alternative=PLD-40R, Alternative2="СНП346-40ВП32-2 РЮМК.430420.019ТУ", CardKRR=75, ComponentLink1Description=СНП346, ComponentLink1URL=\\192.168.0.101\U_Base\PDF\X\СНП346.pdf, Conn34Name=Not_Used, DataSheet=#\\192.168.0.101\U_Base\PDF\X\СНП346.pdf#, Group=Соединители, HelpURL=\\192.168.0.101\U_Base\PDF\X\СНП346.pdf, key=338, Mass=0,0024, MilitaryControl=ВП, Modify=22.01.2019, MountType=РМ, Name=СНП346-40ВП32-2-В, SolderName=SNP346-40VP32-2, ViewControl="В, 10%", VoltageLimit=250, X_SORT_1=700, X_SORT_2=600, X_SORT_3=4
  XP11: Conn01Name=SPI_MOSI_PCB+, Conn02Name=SPI_MOSI_PCB-, Conn03Name=SPI_MISO_PCB+, Conn04Name=SPI_MISO_PCB-, Conn05Name=SPI_CLK_PCB+, Conn06Name=SPI_CLK_PCB-, Conn07Name=SPI_SS_PCB+, Conn08Name=SPI_SS_PCB-, Conn09Name=UART6_RX, Conn10Name=UART6_TX, Conn11Name=Not_Used, Conn12Name=Not_Used, Conn13Name=UIM_OUT1_PCB+, Conn14Name=UIM_OUT1_PCB-, Conn15Name=UIM_OUT1_PCB, Conn16Name=UIM_OUT2_PCB+, Conn17Name=UIM_OUT2_PCB-, Conn18Name=UIM_OUT2_PCB, Conn19Name=UIM_IN1_PCB, Conn20Name=UIM_IN2_PCB, Conn21Name=RS485_A_PCB, Conn22Name=RS485_B_PCB, Conn23Name=SVBP1_PCB, Conn24Name=SVBP2_PCB, Conn25Name=Not_Used, Conn26Name=Not_Used, Conn27Name=Not_Used, Conn28Name=Not_Used, Conn29Name=Not_Used, Conn30Name=Not_Used, Conn31Name=Not_Used, Conn32Name=Not_Used, Conn33Name=Not_Used, Conn35Name=-5V_PCB, Conn36Name=+5V_PCB, Conn37Name=GND_PCB, Conn38Name=GND_PCB, Conn39Name=+5V_PCB, Conn40Name=-5V_PCB
  XP12: Conn01Name=VOLT1_PCB, Conn02Name=VOLT2_PCB, Conn03Name=VOLT3_PCB, Conn04Name=VOLT4_PCB, Conn05Name=VOLT5_PCB, Conn06Name=VOLT6_PCB, Conn07Name=VOLT7_PCB, Conn08Name=VOLT8_PCB, Conn09Name=TRM_SDA_PCB, Conn10Name=TRM_SCL_PCB, Conn11Name=ADDR1_PCB, Conn12Name=ADDR2_PCB, Conn13Name=ADDR3_PCB, Conn14Name=ADDR4_PCB, Conn15Name=ADDR5_PCB, Conn16Name=ADDR6_PCB, Conn17Name=LED1_PCB, Conn18Name=LED2_PCB, Conn19Name=LED3_PCB, Conn20Name=LED4_PCB, Conn21Name=LED5_PCB, Conn22Name=LED6_PCB, Conn23Name=SR_DS_PCB, Conn24Name=SR_STCP_PCB, Conn25Name=SR_SHCP_PCB, Conn26Name=INT1_PCB, Conn27Name=INT2_PCB, Conn28Name=INT3_PCB, Conn29Name=INT4_PCB, Conn30Name=INT5_PCB, Conn31Name=INT6_PCB, Conn32Name=INT7_PCB, Conn33Name=INT8_PCB, Conn35Name=Not_Used, Conn36Name=Not_Used, Conn37Name=Not_Used, Conn38Name=Not_Used, Conn39Name=Not_Used, Conn40Name=Not_Used
XS1 XS2: library part 120, CurrentLimit=1, Manufacturer="АО «Карачевский завод Электродеталь»", ManufacturerTU=РЮМК.430420.011ТУ, Package=PBD, PartNumber="Розетка СНП346-40РП22-2-В", PowerLimit=250, TemperatureRange="от минус 60 до 85", Alternative=PBD-40, Alternative2="СНП346-40РП22-2 РЮМК.430420.019ТУ", CardKRR=75, ComponentLink1Description=СНП346, ComponentLink1URL=\\192.168.0.101\U_Base\PDF\X\СНП346.pdf, DataSheet=#\\192.168.0.101\U_Base\PDF\X\СНП346.pdf#, Group=Соединители, HelpURL=\\192.168.0.101\U_Base\PDF\X\СНП346.pdf, key=120, Mass=0,0036, MilitaryControl=ВП, Modify=19.09.2018, MountType=РМ, Name=СНП346-40РП22-2-В, SolderName=SNP346-40RP22-2, ViewControl="В, 10%", VoltageLimit=250, X_SORT_1=700, X_SORT_2=600, X_SORT_3=4
  XS1: Conn01Name=GND_IN, Conn02Name=+48V_IN, Conn03Name=+48V_IN, Conn04Name=GND_IN, Conn05Name=GND_IN, Conn06Name=+48V_IN, Conn07Name=+48V_IN, Conn08Name=GND_IN, Conn09Name=GND, Conn10Name=+5V_D, Conn11Name=+5V_D, Conn12Name=GND, Conn13Name=GND, Conn14Name=-5V_D, Conn15Name=-5V_D, Conn16Name=GND, Conn17Name=GND, Conn18Name=+3.3V_D, Conn19Name=+3.3V_D, Conn20Name=GND, Conn21Name=GNDA, Conn22Name=+5V_A, Conn23Name=+5V_A, Conn24Name=GNDA, Conn25Name=GNDA, Conn26Name=-5V_A, Conn27Name=-5V_A, Conn28Name=GNDA, Conn29Name=GNDA, Conn30Name=+3.3V_A, Conn31Name=+3.3V_A, Conn32Name=GNDA, Conn33Name=GND_PCB, Conn34Name=+5V_PCB, Conn35Name=+5V_PCB, Conn36Name=GND_PCB, Conn37Name=GND_PCB, Conn38Name=-5V_PCB, Conn39Name=-5V_PCB, Conn40Name=GND_PCB
  XS2: Conn01Name=VOLT1_EN, Conn02Name=VOLT1_UIM, Conn03Name=VOLT2_UIM, Conn04Name=VOLT1_PCB, Conn05Name=VOLT2_PCB, Conn06Name=VOLT2_EN, Conn07Name=VOLT3_EN, Conn08Name=VOLT3_UIM, Conn09Name=VOLT4_UIM, Conn10Name=VOLT3_PCB, Conn11Name=VOLT4_PCB, Conn12Name=VOLT4_EN, Conn13Name=VOLT5_EN, Conn14Name=VOLT5_UIM, Conn15Name=VOLT6_UIM, Conn16Name=VOLT5_PCB, Conn17Name=VOLT6_PCB, Conn18Name=VOLT6_EN, Conn19Name=VOLT7_EN, Conn20Name=VOLT7_UIM, Conn21Name=VOLT8_UIM, Conn22Name=VOLT7_PCB, Conn23Name=VOLT8_PCB, Conn24Name=VOLT8_EN, Conn25Name=Not_Used, Conn26Name=Not_Used, Conn27Name=Not_Used, Conn28Name=Not_Used, Conn29Name=Not_Used, Conn30Name=Not_Used, Conn31Name=Not_Used, Conn32Name=Not_Used, Conn33Name=DS_MISO, Conn34Name=DS_MOSI, Conn35Name=STCP_CS1, Conn36Name=SHCP_CLK, Conn37Name=OTG_FS_DP, Conn38Name=STCP_CS2, Conn39Name=OTG_FS_ID, Conn40Name=OTG_FS_DM
ZQ1: library part 9, Manufacturer="ОАО «Пьезо»", ManufacturerTU=ТУ6321-006-07604008-04, Package=HC49, PartNumber="Резонатор кварцевый РК456МДУ-6ДТ-8M-20 пФ-В", PowerLimit=0,002, TemperatureRange="от минус 60 до 85", Alternative="HC49-SМ 8,000 МГц", CardKRR=69, ComponentLink1URL=\\192.168.0.253\U_Base\PDF\OTHER\РК456МДУ.pdf, DataSheet=#\\192.168.0.253\U_Base\PDF\OTHER\РК456МДУ.pdf#, Group="Резонатор кварцевый", HelpURL=\\192.168.0.253\U_Base\PDF\OTHER\РК456МДУ.pdf, key=9, Mark=8.000, MilitaryControl=ВП, Modify=14.03.2019, MountType=РМ, Name=РК456МДУ-6ДТ-8M, SolderName=RK456MDU-6DT, ViewControl=В,100%, X_SORT_1=800, X_SORT_2=800, X_SORT_3=4

## Free pads (board coordinates)
  round 6 hole 3.2 unplated: 0(0,15) 0(0,85) 0(110,15) 0(110,85)
  round 1.5 hole 1.5 unplated: 0(2.05,59) 0(2.85,25.225) 0(5.3,37.325) 0(5.325,79.75) 0(17.1,73.15) 0(24.6,81) 0(41.4,55.025) 0(45.175,32.725) 0(46.4,69.475) 0(48.55,26.85) 0(51.025,80.175) 0(55.525,33.75) 0(58.625,54.25) 0(93.9,48.075) 0(103.35,79.8) 0(113.625,19.275)

## Via types
v1: diameter 0.5, hole 0.2, Top Layer to Bottom Layer, tented both sides, 406 vias
v2: diameter 0.7, hole 0.3, Top Layer to Bottom Layer, tented both sides, 27 vias
v3: diameter 1.1, hole 0.5, Top Layer to Bottom Layer, tented both sides, 4 vias